# Altium PCB RFID_240713 V3.01.PcbDoc
Units mm, origin at the board's own origin, x right, y up, seen from the top; angles counter-clockwise.
Board outline 57 x 82.83 mm, 2 copper layers (Top Layer, Bottom Layer); 63 components, 50 nets, 199 pads, 301 vias.
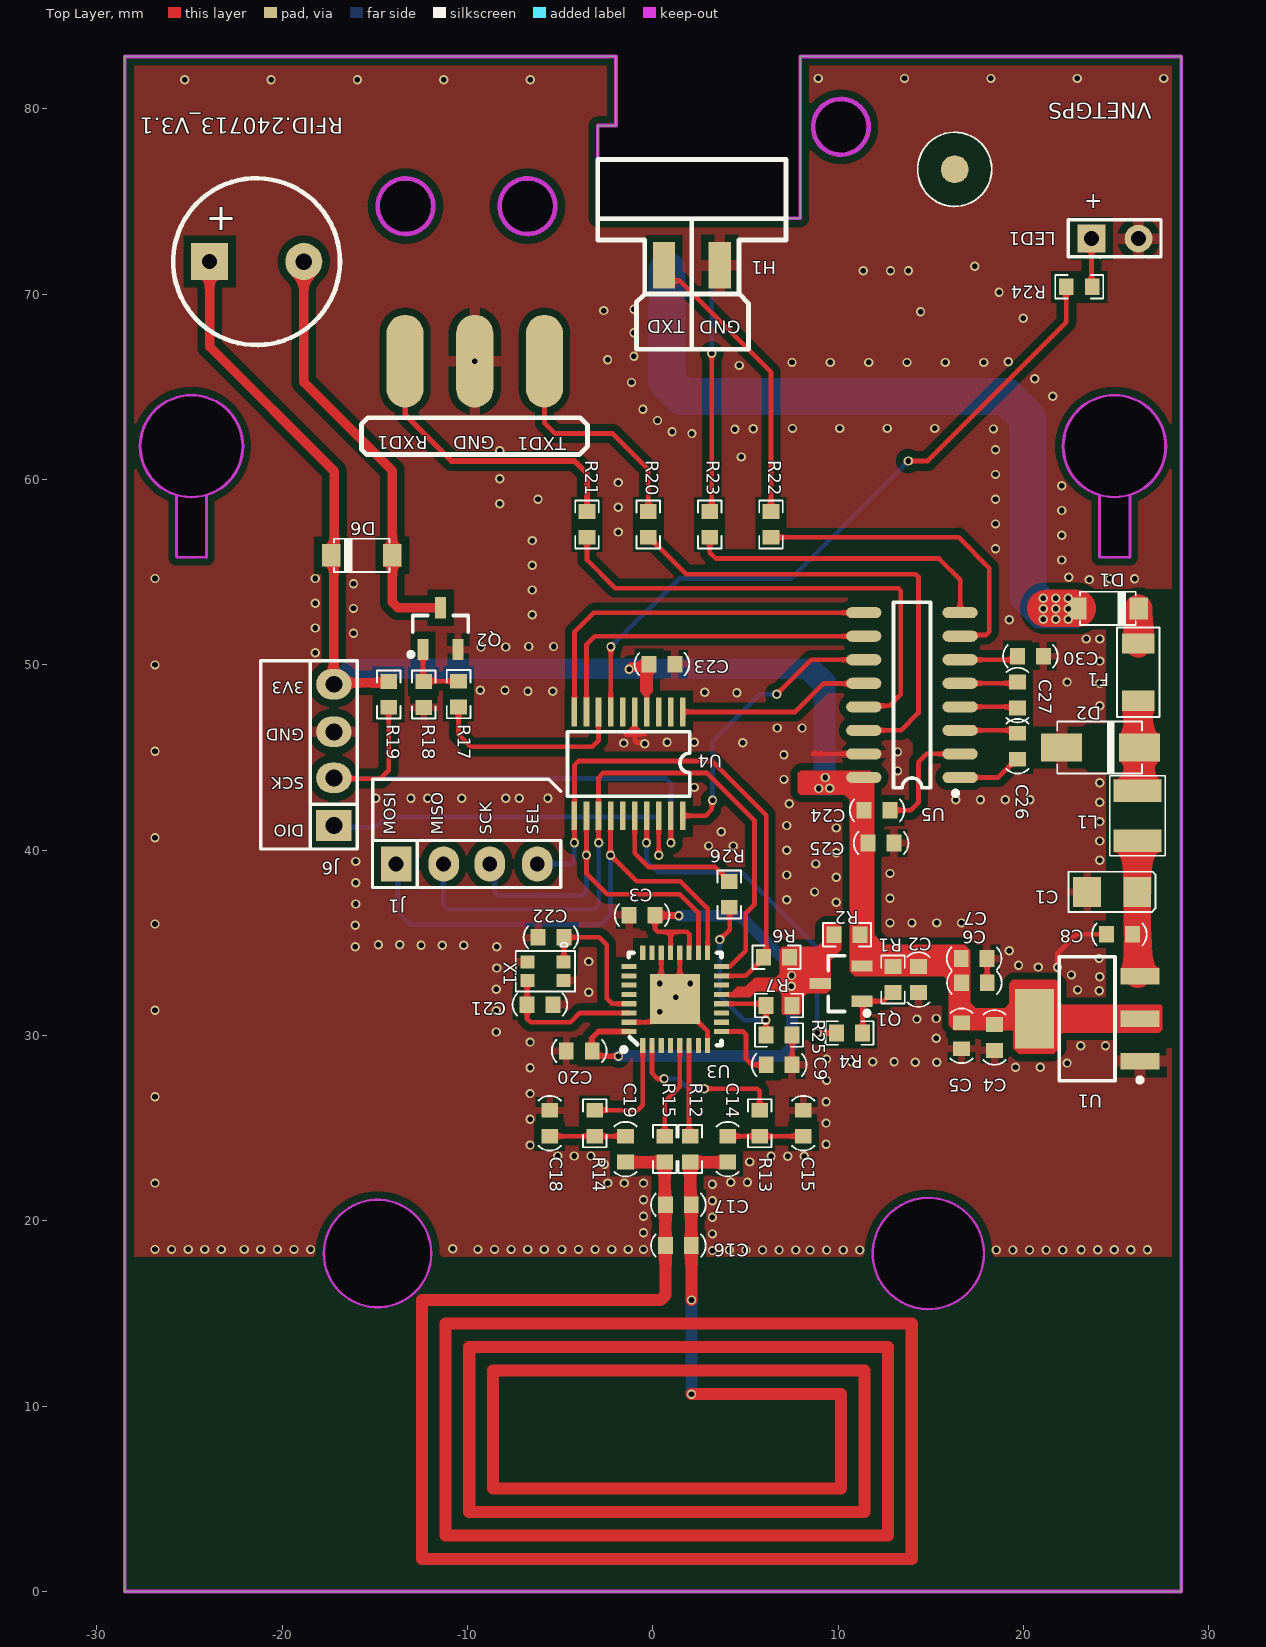
[diagram p0: Top Layer view]
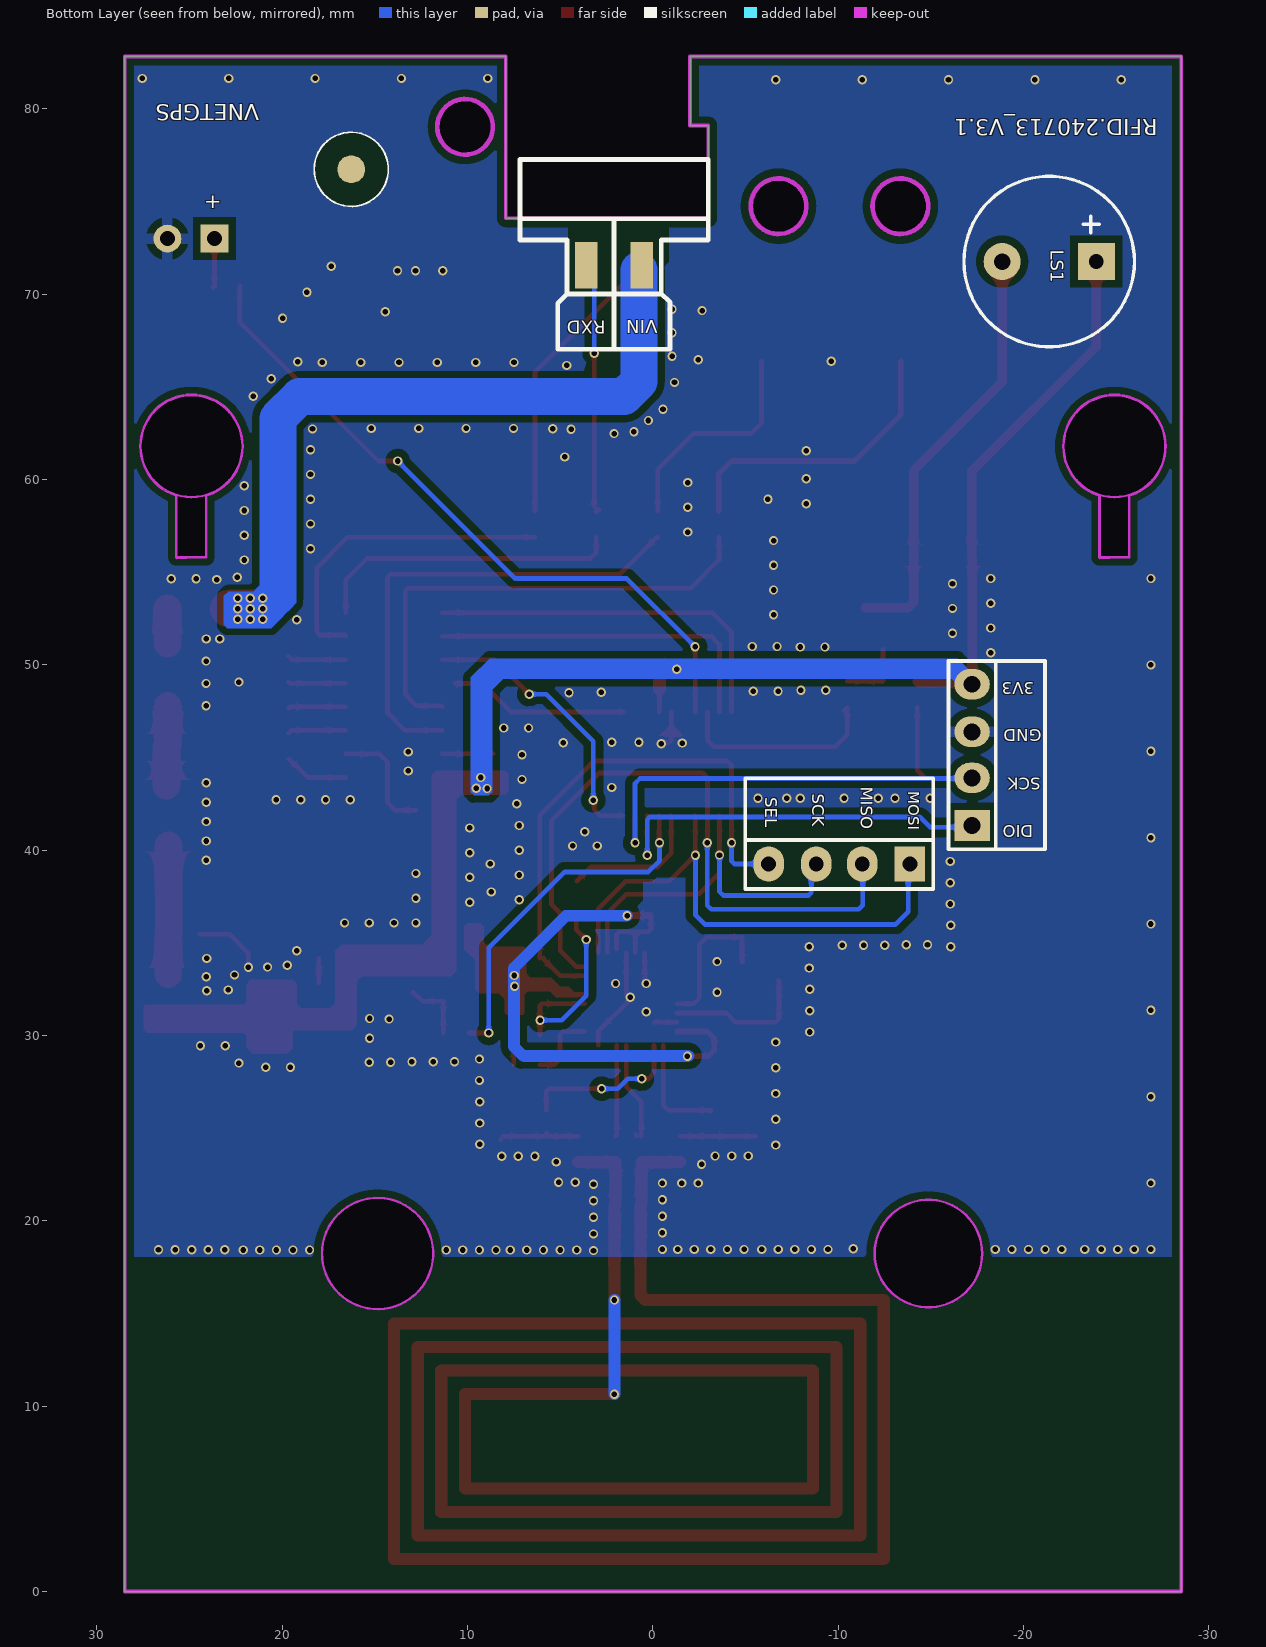
[diagram p1: Bottom Layer view, seen from below]
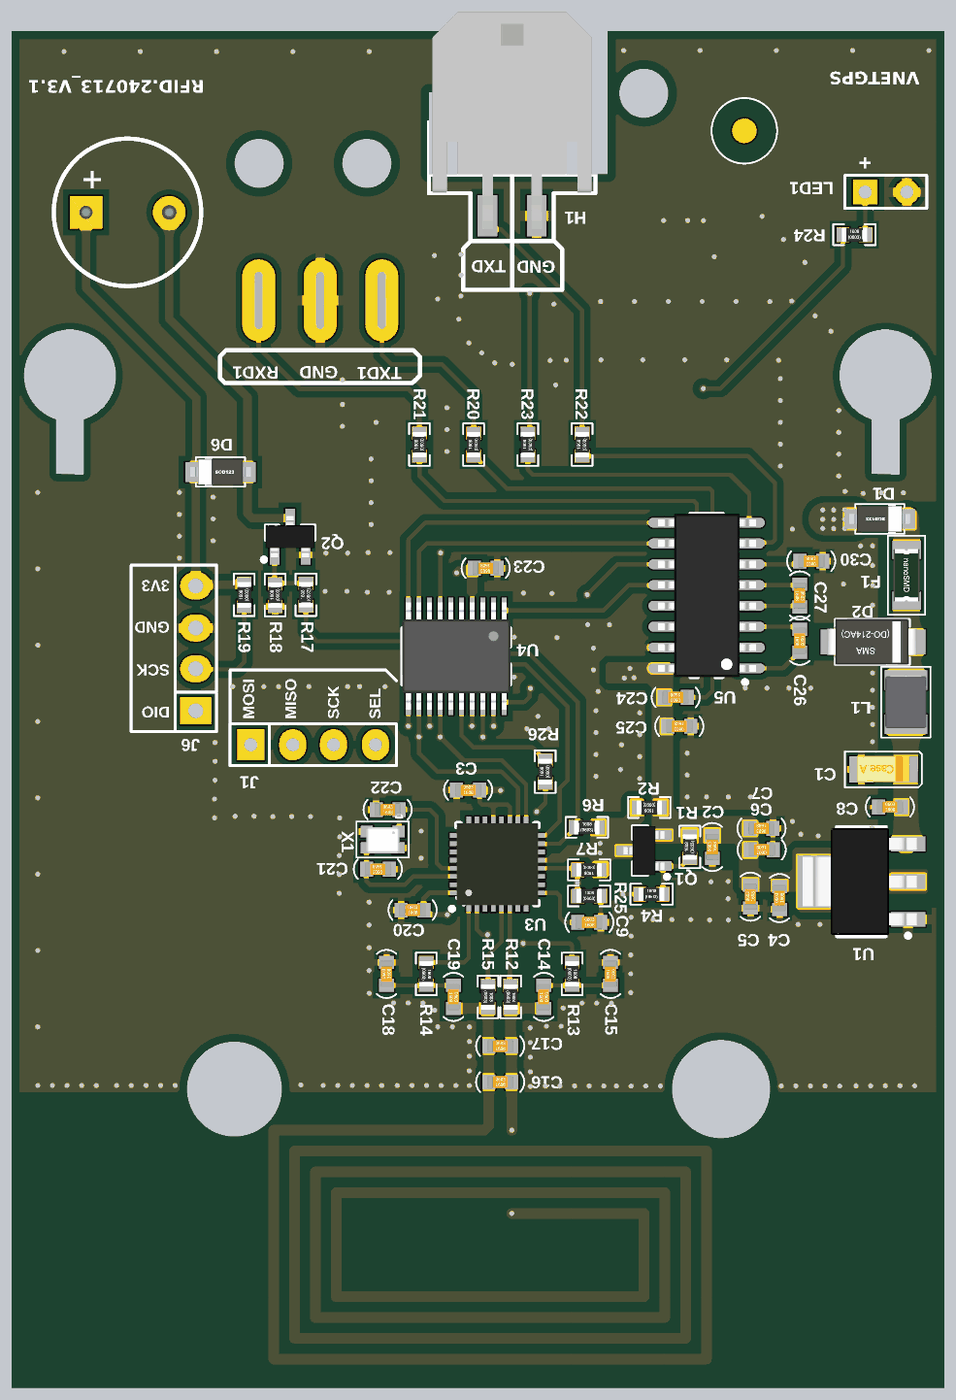
[diagram p2: 3D render of the assembled board from above, using the file's embedded part models]

## Layer stack, top to bottom
Top Solder: solder mask 0.0102, Solder Resist, Dk 3.5
Top Layer: signal copper 0.0356
Dielectric 1: dielectric 0.32, FR-4, Dk 4.8
Bottom Layer: signal copper 0.0356
Bottom Solder: solder mask 0.0102, Solder Resist, Dk 3.5

## Board outline
-28.5,0 -28.5,82.81 -28.5,82.83 -2,82.83 -2,79.1 -2.98,79.1 -2.98,74.1 7.94,74.1 7.94,82.83 28.5,82.83 28.5,82.8 28.5,0
cut-out: -6.77,73.25 cw(c-6.77,74.75) -8.27,74.75 cw(c-6.77,74.75) -6.77,76.25 cw(c-6.77,74.75) -5.27,74.75 cw(c-6.77,74.75)
cut-out: -13.35,73.25 cw(c-13.35,74.75) -14.85,74.75 cw(c-13.35,74.75) -13.35,76.25 cw(c-13.35,74.75) -11.85,74.75 cw(c-13.35,74.75)
cut-out: -14.86,15.34 cw(c-14.86,18.24) -17.76,18.24 cw(c-14.86,18.24) -14.86,21.14 cw(c-14.86,18.24) -11.96,18.24 cw(c-14.86,18.24)
cut-out: 10.14,77.53 cw(c10.14,79.03) 8.64,79.03 cw(c10.14,79.03) 10.14,80.53 cw(c10.14,79.03) 11.64,79.03 cw(c10.14,79.03)
cut-out: 11.86,18.24 ccw(c14.86,18.24) 14.86,15.24 ccw(c14.86,18.24) 17.86,18.24 ccw(c14.86,18.24) 14.86,21.24 ccw(c14.86,18.24)
cut-out: 24.047,55.801 24.047,59.118 cw(c24.9,61.8) 22.086,61.8 cw(c24.9,61.8) 24.9,64.614 cw(c24.9,61.8) 27.714,61.8 cw(c24.9,61.8) 25.773,59.125 25.773,55.801 25.71,55.738
cut-out: -25.763,55.8 -25.763,59.122 cw(c-24.9,61.8) -27.714,61.8 cw(c-24.9,61.8) -24.9,64.614 cw(c-24.9,61.8) -22.086,61.8 cw(c-24.9,61.8) -24.037,59.122 -24.037,55.8 -24.1,55.737

## Design rules (kind name [scope] priority, off if disabled: settings)
Clearance Polygon [InNamedPolygon('BOT GND') or InNamedPolygon('TOP GND')] p1: gap=0.4 ignorepadtopadclearanceinfootprint=FALSE except(0: Arc-Hole Track-Hole SMDPad-Hole THPad-Hole Via-Hole Fill-Hole Poly-Hole Region-Hole Text-Hole)
Clearance [All] p2: gap=0.15 ignorepadtopadclearanceinfootprint=FALSE except(0: Arc-Hole Track-Hole SMDPad-Hole THPad-Hole Via-Hole Fill-Hole Poly-Hole Region-Hole Text-Hole)
HoleToHoleClearance [All] p1: gap=0.1 allowstackedmicrovias=TRUE
MinimumSolderMaskSliver [All] p1: minsoldermaskwidth=0.06
PlaneConnect [All] p1: planeconnectstyle=Direct reliefexpansion=0.508 reliefentries=4 reliefconductorwidth=0.254 reliefairgap=0.254
PolygonConnect PolygonConnect_BigPAD [(AsMM(PadXSize_AllLayers)>2)or (AsMM(PadYSize_AllLayers)>2)] p1: thpad.connectstyle=Relief thpad.reliefconductorwidth=0.8 thpad.reliefentries=4 thpad.polygonreliefangle="90 Angle" thpad.airgapwidth=0.4 smdpad.connectstyle=Relief smdpad.reliefconductorwidth=0.6 smdpad.reliefentries=4 smdpad.polygonreliefangle="90 Angle" smdpad.airgapwidth=0.4 via.connectstyle=Direct via.reliefconductorwidth=0.254 via.reliefentries=4 via.polygonreliefangle="90 Angle" via.airgapwidth=0.254
PolygonConnect [All] p2: thpad.connectstyle=Relief thpad.reliefconductorwidth=0.6 thpad.reliefentries=4 thpad.polygonreliefangle="90 Angle" thpad.airgapwidth=0.4 smdpad.connectstyle=Relief smdpad.reliefconductorwidth=0.4 smdpad.reliefentries=4 smdpad.polygonreliefangle="90 Angle" smdpad.airgapwidth=0.3 via.connectstyle=Direct via.reliefconductorwidth=0.254 via.reliefentries=4 via.polygonreliefangle="90 Angle" via.airgapwidth=0.254
RoutingVias [All] p1: holewidth=0.3 width=0.5 viastyle="Through Hole" minholewidth=0.3 minwidth=0.5 maxholewidth=0.3 maxwidth=0.5
SilkToSilkClearance [All] p1: silktosilkclearance=0
SilkToSolderMaskClearance [IsPad] p1: minsilkscreentomaskgap=0 clearancetoexposedcopper=TRUE
SolderMaskExpansion [All] p1: expansion=0.102 istentingtop=FALSE
Width [All] p1: maxlimit=3 minlimit=0.203 preferedwidth=0.254 minimp=50.000000 maximp=50.000000 favimp=50.000000
25 further rules are at their usual default settings.

## Components (designator, comment, footprint, x,y, rotation, side; value= is the part's Value field where it differs from the comment)
C1 "10uF/10V" "3216 - TANTALUM" 24.775,37.75 r180 top
C2 "100nF" "0603 - C" 14.322,33.018 r90 top
C3 "100nF" "0603 - C" -0.59,36.5 r0 top
C4 "10uF" "0603 - C" 18.429,29.901 r90 top
C5 "100nF" "0603 - C" 16.649,29.987 r90 top
C6 "33pF" "0603 - C" 17.34,32.85 r180 top
C7 "10pF" "0603 - C" 17.329,34.159 r180 top
C8 "100nF" "0603 - C" 25.17,35.46 r0 top
C9 "1nF" "0603 - C" 6.81,28.42 r0 top
C14 "150pF" "0603 - C" 4.032,23.869 r270 top
C15 "150pF" "0603 - C" 8.11,25.27 r270 top
C16 "220pF" "0603 - C" 1.369,20.869 r0 top
C17 "220pF" "0603 - C" 1.369,18.669 r0 top
C18 "150pF" "0603 - C" -5.57,25.27 r90 top
C19 "150pF" "0603 - C" -1.48,23.869 r270 top
C20 "100nF" "0603 - C" -3.98,29.17 r0 top
C21 "22pF" "0603 - C" -6.1,31.668 r180 top
C22 "22pF" "0603 - C" -5.503,35.3 r0 top
C23 "100nF" "0603 - C" 0.484,50.041 r180 top
C24 "100nF" "0603 - C" 12.088,42.153 r180 top
C25 "100nF" "0603 - C" 12.308,40.388 r180 top
C26 "100nF" "0603 - C" 19.664,45.61 r270 top
C27 "100nF" "0603 - C" 19.664,48.373 r270 top
C30 "100nF" "0603 - C" 20.364,50.467 r180 top
D1 "1N4148" SOD-123 24.548,53.047 r270 top
D2 "SMAJ5.0A" "Diode - SMA" 24.15,45.54 r180 top
D6 "1N4148" SOD-123 -15.714,55.91 r90 top
F1 "Fuse 30V" "1206 - Fuse" 26.183,49.605 r270 top
GND "Test Point" TP1 -9.618,66.39 r90 top
H1 "MX3.0 RA 2*2P S" 43045-M3045-2x2-B 2.1,76 r180 top
J1 "Jumper 4" JP4#1 -10.05,39.26 r0 top
J6 "Jumper 4" JP4#2 -17.22,45.145 r90 top
L1 "2.2uH" "1210 - L" 26.142,41.863 r270 top
LED1 "LED5" "LED VUONG 5MM" 23.66,73 r0 top
LS1 "3V 9mm" Buzzer -21.38,71.763 r0 bottom
Q1 "IRLML6402" SOT23B 10.153,32.802 r180 top
Q2 "2N3904" SOT23B -11.46,51.96 r90 top
R1 "1M" "0603 - R" 12.95,33.018 r90 top
R2 "0R_NM" "0603 - R" 10.476,35.432 r180 top
R4 "1K" "0603 - R" 10.61,30.14 r0 top
R6 "10K" "0603 - R" 6.66,34.22 r0 top
R7 "3.3K_NM" "0603 - R" 6.8,31.622 r180 top
R12 "330R" "0603 - R" 2.01,23.87 r270 top
R13 "0R" "0603 - R" 5.76,25.269 r270 top
R14 "0R" "0603 - R" -3.145,25.269 r270 top
R15 "330R" "0603 - R" 0.63,23.87 r270 top
R17 "1K" "0603 - R" -10.49,48.42 r90 top
R18 "10K" "0603 - R" -12.37,48.4 r90 top
R19 "10K" "0603 - R" -14.26,48.411 r90 top
R20 "330R" "0603 - R" -0.25,57.584 r90 top
R21 "330R" "0603 - R" -3.56,57.584 r90 top
R22 "330R" "0603 - R" 6.37,57.584 r90 top
R23 "330R" "0603 - R" 3.06,57.584 r90 top
R24 "1K" "0603 - R" 23,70.4 r0 top
R25 "3.3K" "0603 - R" 6.8,30.03 r0 top
R26 "0R_NM" "0603 - R" 4.12,37.62 r90 top
RXD1 "Test Point" TP1 -13.378,66.39 r90 top
TXD1 "Test Point" TP1 -5.858,66.39 r90 top
U1 "AMS1117_3.3V" SOT223 23.425,30.907 r180 top
U3 "CR95HF" 32-VFQFN 1.199,31.97 r90 top locked
U4 "STM32G030F6P6TR" TSSOP20 -1.313,44.663 r270 top locked
U5 "MAX3232" SOIC16 13.975,48.373 r180 top
X1 "Crystal 27.12MHz" "Crystal 2016" -5.803,33.468 r270 top

## Footprints (in the part's own frame and the unit in brackets; to place one, negate y for a bottom-side part, rotate by r counter-clockwise, add the part's x,y. Pads: shape width x height; smd on the part's side, far side on the other; paste and mask are expansions set on the pad)
32-VFQFN [mil] "VFQFN, 32-lead, Body 5x5 mm, 0.5 mm pitch,IPC High Density"
  rect 31.5x11 smd mask+4.5: 1(-98.42,68.89) 2(-98.42,49.21) 3(-98.42,29.53) 4(-98.42,9.84) 5(-98.42,-9.84) 6(-98.42,-29.52) 7(-98.42,-49.21) 8(-98.42,-68.89) 17(98.43,-68.89) 18(98.43,-49.21) 19(98.43,-29.52) 20(98.43,-9.84) 21(98.43,9.84) 22(98.43,29.53) 23(98.43,49.21) 24(98.43,68.89)
  rect 11x31.5 smd mask+4.5: 9(-68.91,-98.42) 10(-49.22,-98.42) 11(-29.54,-98.42) 12(-9.86,-98.42) 13(9.83,-98.42) 14(29.51,-98.42) 15(49.19,-98.42) 16(68.88,-98.42) 25(68.88,98.43) 26(49.19,98.43) 27(29.51,98.43) 28(9.83,98.43) 29(-9.86,98.43) 30(-29.54,98.43) 31(-49.22,98.43) 32(-68.91,98.43)
  rect 106.3x106.3 smd paste-118.11: 33(0.08,-0.06)
  silkscreen extent -112,-99 99,114, body extent -99,-99 99,99, height 30
"0603 - C" [mm] "Chip Capacitor, Body 1.6x0.8mm, IPC High Density"
  rect 0.8x0.9 smd: 1(-0.7,0) 2(0.7,0)
  silkscreen extent -1.47,-0.6 1.47,0.6, body extent -0.8,-0.4 0.8,0.4, height 0.8
"0603 - R" [mm] "Chip Resistor, Body 1.6x0.8mm, IPC High Density"
  rect 0.8x0.9 smd paste-0.025: 1(-0.7,0) 2(0.7,0)
  silkscreen extent -1.3,-0.64 1.3,0.64, body extent -0.77,-0.42 0.78,0.43, height 0.45
"1206 - Fuse" [mm] "Chip Resetable Fuse,  Body 3.22x1.6mm, IPC High Density"
  rect 1.1x1.75 smd: 1(-1.55,0) 2(1.55,0)
  silkscreen extent -2.41,-1.14 2.41,1.14, body extent -1.6,-0.8 1.6,0.8, height 1
"1210 - L" [mm] "Chip Capacitor, Body 2.54x1.27mm, IPC High Density"
  rect 1.2x2.6 smd: 1(-1.35,0) 2(1.35,0)
  silkscreen extent -2.16,-1.5 2.16,1.5, body extent -1.6,-1.25 1.6,1.25, height 1.9
"3216 - TANTALUM" [mm] "Chip cap tantalum, Body 3.2x1.6mm, IPC High Density"
  rect 1.5x1.6 smd: 1(-1.35,0) 2(1.35,0)
  silkscreen extent -2.34,-1.09 2.36,1.09, body extent -1.57,-0.83 1.63,0.77, height 1.6
43045-M3045-2x2-B [mm] "Micro-Fit 3.0™ Vertical Angle Header, 3.00mm Pitch, Dual Row, 4 Circuits, with Solder Tab, Gold, Glow Wire Capable, Black"
  rect 1.2x2.5 smd far side: 1(-1.5,4.445) 3(1.5,4.445)
  rect 1.2x2.5 smd: 2(-1.5,4.445) 4(1.5,4.445)
  silkscreen extent -5.08,-1.27 5.08,5.99, body extent -4.86,-7.97 4.86,5.68, height 3.62
Buzzer [mm] "Buzer 9mm"
  rect 2x2 hole 0.8: 1(-2.54,0)
  round 2 hole 0.889: 2(2.54,0)
  silkscreen extent -4.6,-4.6 4.6,4.6, body extent -4.55,-4.55 4.55,4.55, height 5.6
"Crystal 2016" [mm] "Surface Mount,4-SMD, No Lead (DFN, LCC),2.00mm x 1.60mm"
  rect 0.7x0.75 smd mask+0.119: 1(-0.5,0.975) 2(-0.5,-0.975) 3(0.5,-0.975) 4(0.5,0.975)
  silkscreen extent -1.55,-1.6 1.1,1.6, body extent -0.77,-0.98 0.83,1.01, height 0.7
"Diode - SMA" [mm] "Diode; 2 Leads"
  rect 2.2x1.5 smd: 1(2.1,0) 2(-2.1,0)
  silkscreen extent -2.24,-1.4 2.34,1.4, body extent -2.67,-1.4 2.83,1.4, height 2.6
JP4#1 [mil] "Jumper 4, 2.54x4p"
  rect 65x75 hole 31.5: 1(-150,0)
  oval 65x75 hole 31.5: 2(-49,0) 3(49,0) 4(150,0)
  silkscreen extent -200,-50 200,50
JP4#2 [mil] "Jumper 4, 2.54x4p"
  rect 65x75 hole 36.02: 1(-150,0)
  oval 65x75 hole 36.02: 2(-49,0) 3(49,0) 4(150,0)
  silkscreen extent -200,-50 200,50
"LED VUONG 5MM" [mm]
  rect 1.5x1.5 hole 0.8: 1(0,0)
  round 1.5 hole 0.8: 2(2.54,0)
  silkscreen extent -1.25,-0.98 3.75,1.02
SOD-123 [mm] "SOD123, 2-Leads, Body 2.6x1.6mm, Pitch 3.05mm, IPC High Density"
  rect 1.2x1 smd: 1(0,-1.652) 2(0,1.652)
  silkscreen extent -0.9,-1.5 0.9,1.5, body extent -0.8,-1.85 0.8,1.85, height 1.27
SOIC16 [mm] "SOIC, 16-Leads, Body 9.9x3.9mm, Pitch 1.27mm, IPC High Density"
  oval 1.9x0.6 smd: 1(-2.6,4.445) 2(-2.6,3.175) 3(-2.6,1.905) 4(-2.6,0.635) 5(-2.6,-0.635) 6(-2.6,-1.905) 7(-2.6,-3.175) 8(-2.6,-4.445) 9(2.6,-4.445) 10(2.6,-3.175) 11(2.6,-1.905) 12(2.6,-0.635) 13(2.6,0.635) 14(2.6,1.905) 15(2.6,3.175) 16(2.6,4.445)
  silkscreen extent -2.48,-5 1,5.42, body extent -3.02,-5 2.98,5, height 1.75
SOT23B [mm] "SOT23, 3-Leads, Body 2.9x1.3mm, Pitch 0.95mm, Lead Span 2.4mm, IPC High Density"
  rect 1.15x0.6 smd: 1(-1.125,0.95) 2(-1.125,-0.95) 3(1.125,0)
  silkscreen extent -1.52,-1.5 0.7,1.73, body extent -1.25,-1.5 1.25,1.5, height 1.05
SOT223 [mm] "SOT223, 4-Leads, Body 6.5x3.5mm, Pitch 2.3mm, Lead Span 7mm, IPC High Density"
  rect 2.1x0.9 smd: 1(-2.85,2.3) 2(-2.85,0) 3(-2.85,-2.3)
  rect 2.1x3.2 smd: 4(2.85,0)
  silkscreen extent -2.98,-3.35 1.5,3.42, body extent -3.39,-3.25 3.57,3.25, height 1.65
TP1 [mm] "TP1, 1mm, 1 layer"
  oval 5x2 smd paste-0.75: 1(0,0)
TSSOP20 [mm] "20-Lead, Body 4.4x6.4x6.5mm, IPC High Density"
  rect 1.55x0.3 smd: 1(-2.8,2.925) 2(-2.8,2.275) 3(-2.8,1.625) 4(-2.8,0.975) 5(-2.8,0.325) 6(-2.8,-0.325) 7(-2.8,-0.975) 8(-2.8,-1.625) 9(-2.8,-2.275) 10(-2.8,-2.925) 11(2.8,-2.925) 12(2.8,-2.275) 13(2.8,-1.625) 14(2.8,-0.975) 15(2.8,-0.325) 16(2.8,0.325) 17(2.8,0.975) 18(2.8,1.625) 19(2.8,2.275) 20(2.8,2.925)
  silkscreen extent -1.73,-3.3 1.75,3.3, body extent -3.27,-3.3 3.28,3.3, height 1.2
